# Altium PCB BC95_BLUE.PcbDoc
Units mil, origin at the board's own origin, x right, y up, seen from the top; angles counter-clockwise.
Board outline 2715 x 2415 mil, 2 copper layers (Top Layer, Bottom Layer); 107 components, 89 nets, 463 pads, 269 vias.
Unrouted connection lines stored in the file: 1.
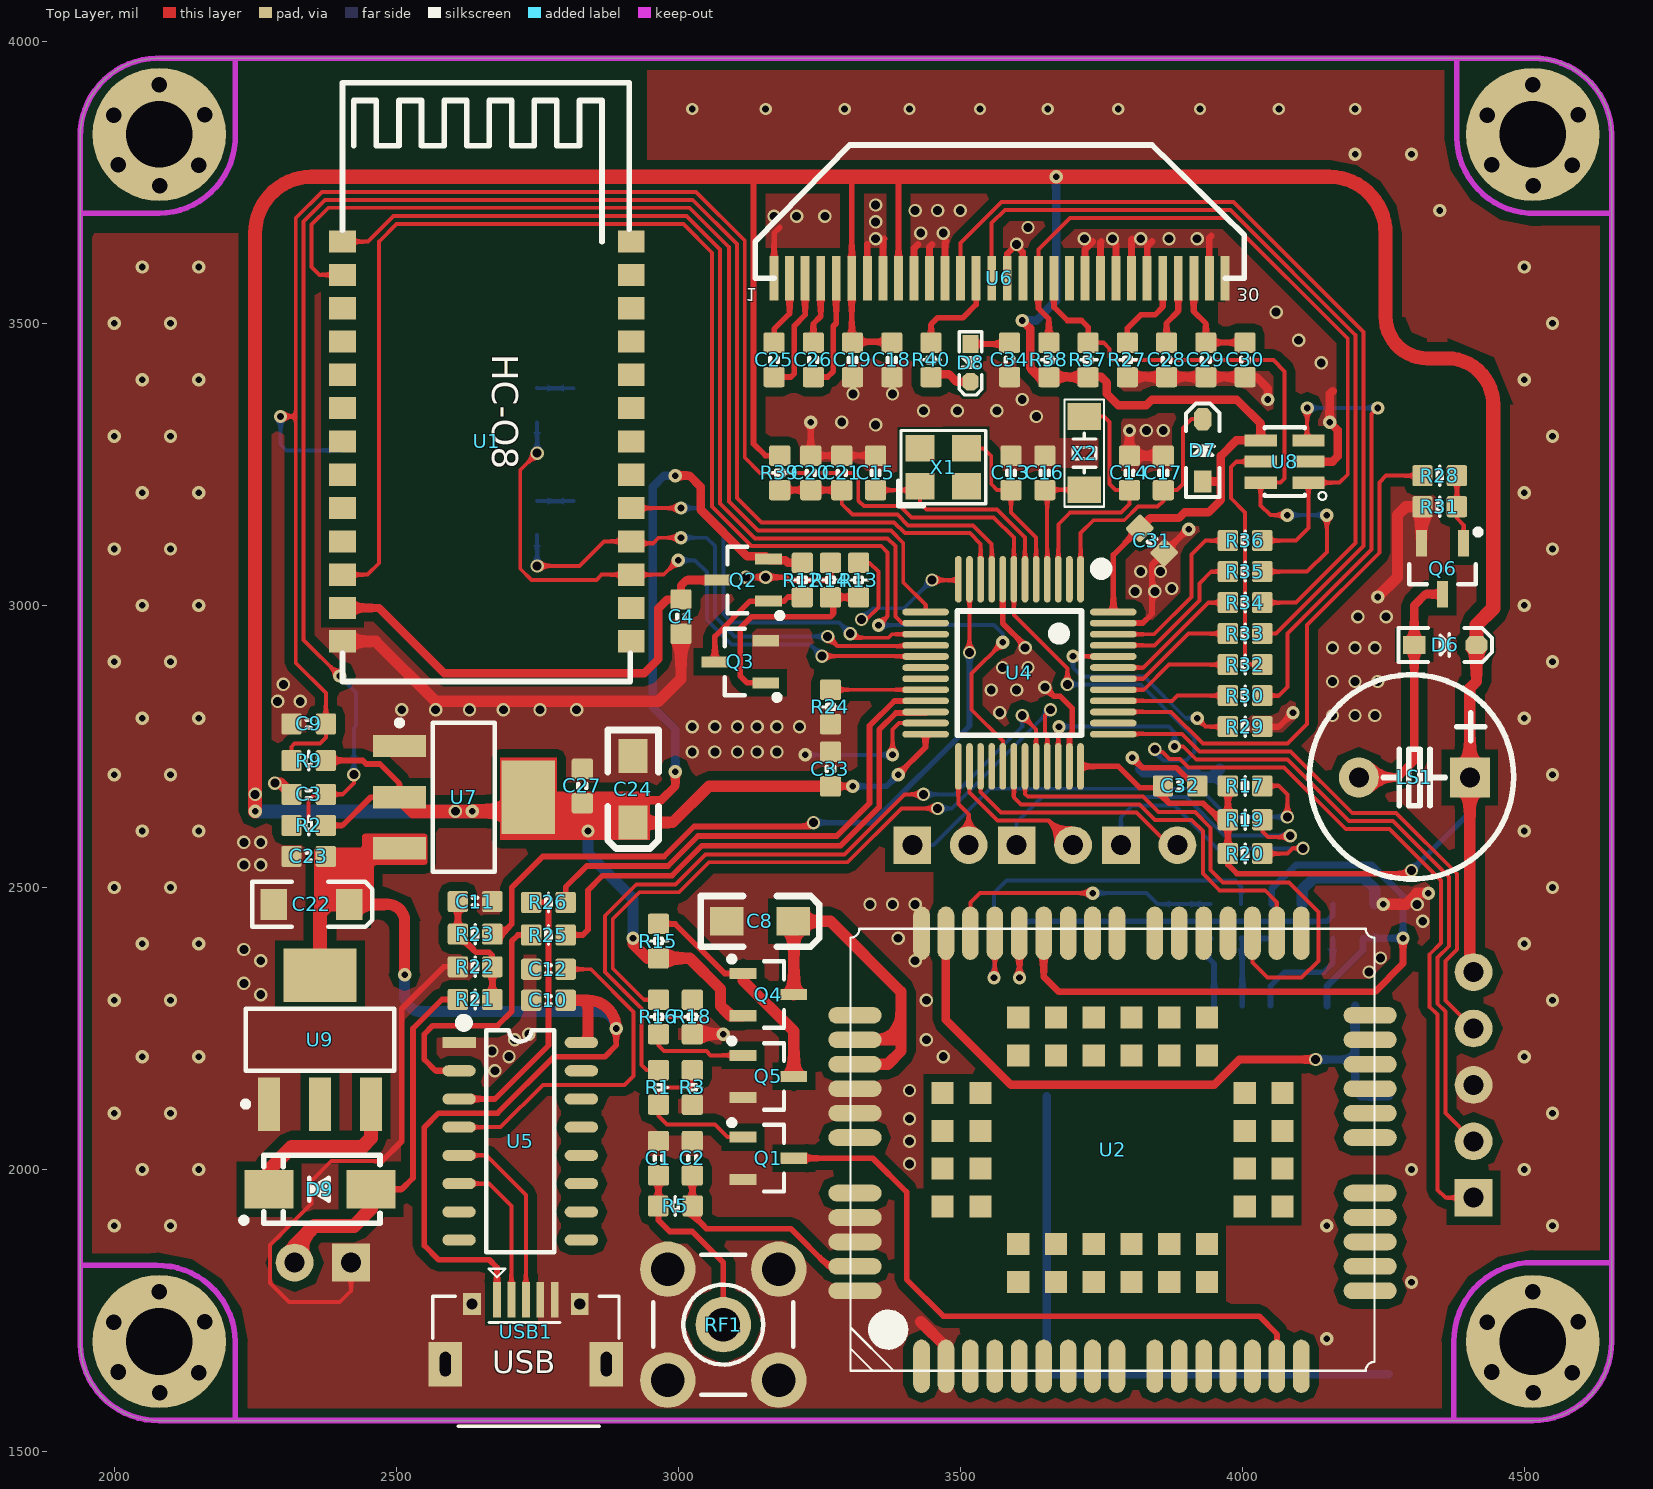
[diagram p0: Top Layer view]
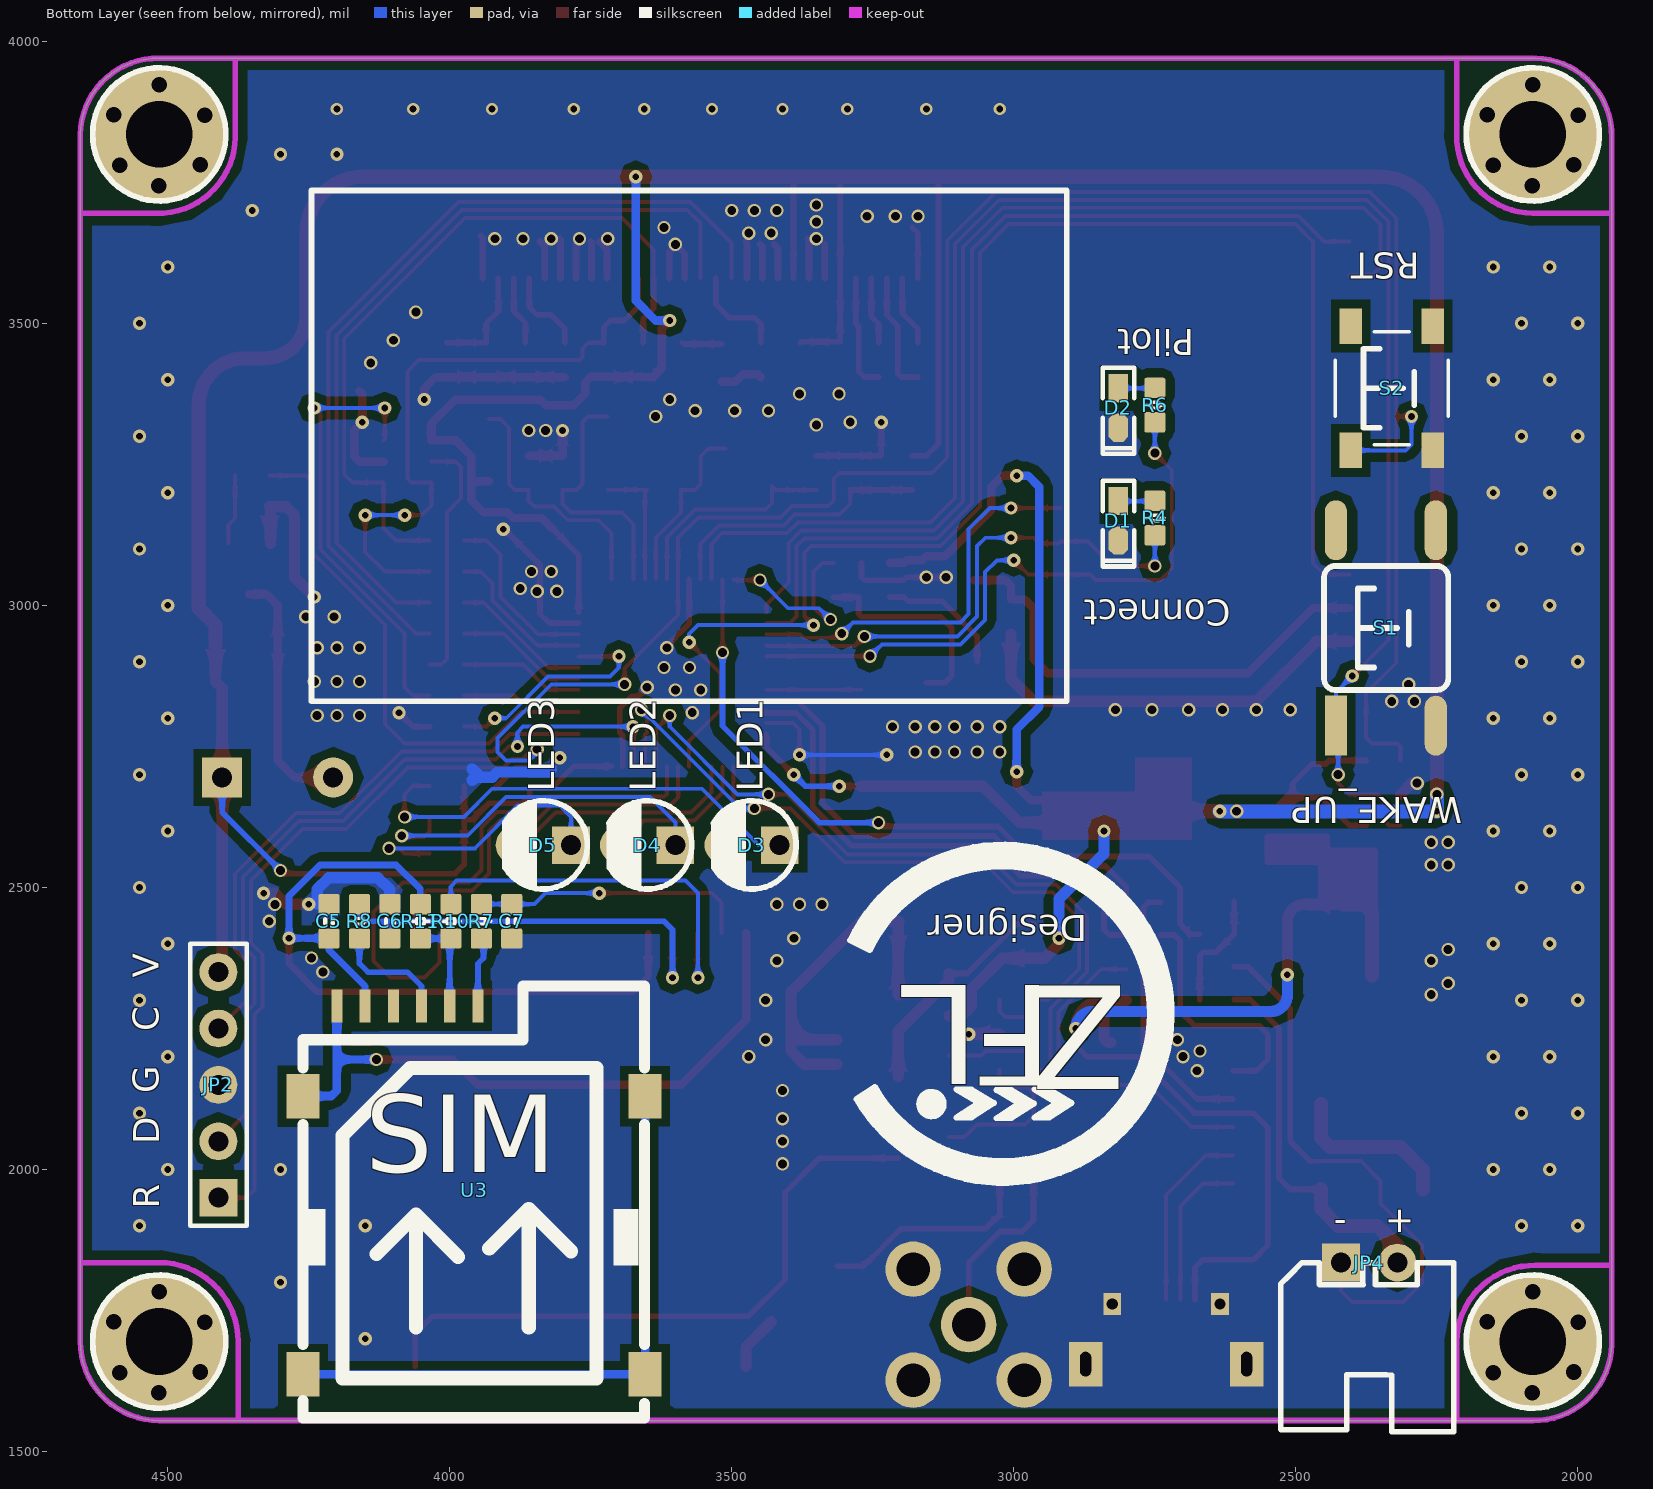
[diagram p1: Bottom Layer view, seen from below]

## Layer stack, top to bottom
Top Solder: solder mask 0.4, Solder Resist, Dk 3.5
Top Layer: signal copper 1.4
Dielectric 1: dielectric 12.6, FR-4, Dk 4.8
Bottom Layer: signal copper 1.4
Bottom Solder: solder mask 0.4, Solder Resist, Dk 3.5

## Board outline
1940,1690 1940,3830 cw(c2077.5,3832.5) 2075,3970 2080,3970 4515,3970 cw(c4517.5,3832.5) 4655,3835 4655,1695 cw(c4515,1695) 4515,1555 2080,1555 cw(c2077.5,1692.5)

## Design rules (kind name [scope] priority, off if disabled: settings)
Clearance Clearance_4 [InNamedPolygon('GND_L02_P002')] p1: gap=15 ignorepadtopadclearanceinfootprint=FALSE except(0: Arc-Hole Track-Hole SMDPad-Hole THPad-Hole Via-Hole Fill-Hole Poly-Hole Region-Hole Text-Hole)
Clearance Clearance_3 [InNamedPolygon('GND_L01_P000')] p2: gap=15 ignorepadtopadclearanceinfootprint=FALSE except(0: Arc-Hole Track-Hole SMDPad-Hole THPad-Hole Via-Hole Fill-Hole Poly-Hole Region-Hole Text-Hole)
Clearance Clearance_2 [InNamedPolygon('GND_L02_P002')] p3: gap=20 ignorepadtopadclearanceinfootprint=FALSE except(0: Arc-Hole Track-Hole SMDPad-Hole THPad-Hole Via-Hole Fill-Hole Poly-Hole Region-Hole Text-Hole)
Clearance Clearance_1 [InNamedPolygon('GND_L01_P000')] p4: gap=20 ignorepadtopadclearanceinfootprint=FALSE except(0: Arc-Hole Track-Hole SMDPad-Hole THPad-Hole Via-Hole Fill-Hole Poly-Hole Region-Hole Text-Hole)
Clearance [All] p5: gap=7 ignorepadtopadclearanceinfootprint=FALSE except(0: Arc-Hole Track-Hole SMDPad-Hole THPad-Hole Via-Hole Fill-Hole Poly-Hole Region-Hole Text-Hole)
FanoutControl Fanout_Default [All] p5: bgadir=Out bgaviamode=Closest fanoutstyle=Auto fanoutdirection=Alternating viagrid=1 // Fanout_Default (Default Rule)
PolygonConnect PolygonConnect_2 [All vs IsNamedPolygon('GND_L02_P002')] p1: connectstyle=Direct reliefconductorwidth=10 reliefentries=4 polygonreliefangle="90 Angle" airgapwidth=10
PolygonConnect PolygonConnect_1 [All vs IsNamedPolygon('GND_L01_P000')] p2: connectstyle=Direct reliefconductorwidth=10 reliefentries=4 polygonreliefangle="90 Angle" airgapwidth=10
PolygonConnect [All] p3: connectstyle=Relief reliefconductorwidth=10 reliefentries=4 polygonreliefangle="90 Angle" airgapwidth=10
RoomDefinition Data_Blue [InComponentClass('Data_Blue')] p1: confinementstyle=ConfineIn formatcopy=TRUE lockcomponents=FALSE outline 0,0 30890,0 30890,8775 0,8775
RoutingVias [All] p1: holewidth=11.81 width=23.62 viastyle="Through Hole" minholewidth=11.81 minwidth=23.62 maxholewidth=28 maxwidth=50 viatemplateguid#1={C9D36F14-557D-4908-B1C2-58944D411F6E} viatemplatename#1=v127h71m0
SolderMaskExpansion [All] p1: expansion=4 istentingtop=FALSE
Width [All] p1: maxlimit=5000 minlimit=7 preferedwidth=7
29 further rules are at their usual default settings.

## Components (designator, comment, footprint, x,y, rotation, side; value= is the part's Value field where it differs from the comment)
C1 "100nF" 0603CC 2965,2020 r180 top
C2 "100nF" 0603CC 3025,2020 r180 top
C3 "100nF" 0603CC 2345,2665 r270 top
C4 "100nF" 0603CC 3005,2980 r180 top
C5 "100nF" 0603CC 4214.17,2440 r180 bottom
C6 "33P" 0603CC 4106.11,2440 r180 bottom
C7 "33P" 0603CC 3890,2440 r0 bottom
C8 "470uF/16V" C3216 3145,2440 r180 top
C9 "10uF" 0603CC 2345,2790 r90 top
C10 "100nF" 0603CC 2770,2300 r270 top
C11 "100nF" 0603CC 2640,2475 r270 top
C12 "100nF" 0603CC 2770,2355 r270 top
C13 "22p" 0603CC 3590,3235 r0 top
C14 "22p" 0603CC 3800,3235 r180 top
C15 "22p" 0603CC 3350,3235 r0 top
C16 "22p" 0603CC 3650,3235 r180 top
C17 "100nF" 0603CC 3860,3235 r180 top
C18 "1uF" 0603CC 3378.75,3435.38 r180 top
C19 "2.2uF" 0603CC 3309.17,3435.38 r180 top
C20 "10uF" 0603CC 3235,3235 r0 top
C21 "100nF" 0603CC 3290,3235 r0 top
C22 "470uF/35V" "CD A(3216)" 2350,2470 r180 top
C23 "100nF" 0603CC 2345,2555 r90 top
C24 "470uF/35V" C3216 2920,2674.06 r90 top
C25 "1uF" 0603CC 3170,3435.38 r0 top
C26 "1uF" 0603CC 3239.58,3435.38 r0 top
C27 "100nF" 0603CC 2830,2680 r0 top
C28 "2.2uF" 0603CC 3865.83,3435.38 r180 top
C29 "2.2uF" 0603CC 3935.42,3435.38 r180 top
C30 "1uF" 0603CC 4005,3435.38 r180 top
C31 "1uF" 0603CC 3840,3115 r225 top
C32 "100nF" 0603CC 3890,2680 r270 top
C33 "10nF" 0603CC 3270,2710 r0 top
C34 "4.7uF" 0603CC 3587.5,3435.38 r180 top
D1 "LED" "LED 0603G" 2815,3150 r270 bottom
D2 "LED" "LED 0603R" 2815,3350 r270 bottom
D3 "LED" "LED 3MM-G" 3465,2575 r0 bottom
D4 "LED" "LED 3MM-G" 3650,2575 r0 bottom
D5 "LED" "LED 3MM-G" 3835,2575 r0 bottom
D6 "1N4148" SOD-323 4360,2930 r0 top
D7 "1N4148" SOD-323 3930,3275 r90 top
D8 "1N4148" SOD-523 3518.22,3430 r270 top
D9 "SS34" SMA 2365,1965 r180 top
JP2 "HDR-1X5" HDR2.54-LI-5P 4410,2150 r90 bottom
JP4 "HDR-1X2" XH2.54-WI-2P 2370,1835 r180 bottom
LS1 "DC5V" "BEEP 5x9x5.5" 4305,2695 r90 top
Q1 "SS8050" SOT23-3N 3160,2020 r270 top
Q2 "AO3401" SOT23-3N 3115,3045 r90 top
Q3 "SS8050" SOT23-3N 3110,2900 r90 top
Q4 "AO3401" SOT23-3N 3160,2310 r270 top
Q5 "SS8050" SOT23-3N 3160,2165 r270 top
Q6 "SS8050" SOT23-3N 4355,3065 r180 top
R1 "1K" 0603RR 2965,2145.51 r0 top
R2 "10K" 0603RR 2345,2610 r90 top
R3 "10K" 0603RR 3025,2145.51 r0 top
R4 "470R" 0603RR 2750,3155 r0 bottom
R5 "0R" 0603RR 2995,1935.51 r270 top
R6 "470R" 0603RR 2750,3355 r0 bottom
R7 "10R" 0603RR 3944.03,2440 r180 bottom
R8 "10R" 0603RR 4160.14,2440 r180 bottom
R9 "10K" 0603RR 2345,2725 r90 top
R10 "10R" 0603RR 3998.06,2440 r180 bottom
R11 "10K" 0603RR 4052.08,2440 r180 bottom
R12 "10K" 0603RR 3220,3045 r180 top
R13 "1K" 0603RR 3320,3045 r0 top
R14 "10K" 0603RR 3270,3045 r180 top
R15 "10K" 0603RR 2965,2405 r0 top
R16 "1K" 0603RR 2965,2270.51 r0 top
R17 "470R" 0603RR 4005,2680 r90 top
R18 "10K" 0603RR 3025,2270.51 r0 top
R19 "470R" 0603RR 4005,2620 r90 top
R20 "470R" 0603RR 4005,2560 r90 top
R21 "10K" 0603RR 2640,2301.43 r90 top
R22 "3.3K" 0603RR 2640,2359.29 r270 top
R23 "470R" 0603RR 2640,2417.14 r270 top
R24 "10K" 0603RR 3270,2820 r0 top
R25 "220" 0603RR 2770,2415.71 r270 top
R26 "220" 0603RR 2770,2473.57 r270 top
R27 "560K" 0603RR 3796.25,3435.38 r0 top
R28 "1K" 0603RR 4350,3230 r90 top
R29 "10K" 0603RR 4005,2785 r270 top
R30 "470R" 0603RR 4005,2840 r90 top
R31 "10K" 0603RR 4350,3175 r270 top
R32 "470R" 0603RR 4005,2895 r90 top
R33 "470R" 0603RR 4005,2950 r90 top
R34 "470R" 0603RR 4005,3005 r90 top
R35 "470R" 0603RR 4005,3060 r90 top
R36 "470R" 0603RR 4005,3115 r90 top
R37 "4.7K" 0603RR 3726.67,3435.38 r180 top
R38 "4.7K" 0603RR 3657.08,3435.38 r180 top
R39 "10R" 0603RR 3180,3235 r0 top
R40 "4.7K" 0603RR 3448.33,3435.38 r0 top
RF1 "SMA天线" SMA_FR 3080,1725 r180 top
S1 "SW-PB" "TSW SMD-6*6*6" 2340,2960 r90 bottom
S2 "SW-PB" "TSW SMD-4*4*1.5" 2330,3385 r90 bottom
U1 "HC-08" HC-08 2405,3645 r270 top
U2 "BC95" BC95 3770,2035 r90 top
U3 "USIM_6P" "SIM 6P 自弹" 4260,2130 r180 bottom
U4 "STM32F103C8" "LQFP48 7X7_M" 3605,2880 r180 top
U5 "CH340C" SOP16_L 2720,2050 r0 top
U6 "SSH1106_OLED_1.3" OLED_1.3_FPC_30 3170,3580 r0 top
U7 "AMS1117-3.3" SOT223_N 2620,2660 r0 top
U8 "GT20L16_字库" SOT23-6 4075,3255 r270 top
U9 "AMS1117-5.0V" SOT223_N 2365,2230 r90 top
USB1 "USB-5P" USB-MICRO_A 2730,1655 r0 top
X1 "8M" "OSC 3225-4P" 3470,3245 r0 top
X2 "32.768K" "OSC 3215-2P" 3720,3270 r90 top

## Footprints (in the part's own frame and the unit in brackets; to place one, negate y for a bottom-side part, rotate by r counter-clockwise, add the part's x,y. Pads: shape width x height; smd on the part's side, far side on the other; paste and mask are expansions set on the pad)
0603CC [mm]
  rrect20% 0.95x0.92 smd: 1(0,0.775) 2(0,-0.775)
  silkscreen extent -0.18,-0.1 0.18,0.1, body extent -0.39,-0.8 0.39,0.8, height 0.79
0603RR [mm]
  rrect20% 0.95x0.92 smd: 1(0,0.775) 2(0,-0.775)
  silkscreen extent -0.43,-0.13 0.43,0.13, body extent -0.39,-0.8 0.39,0.8, height 0.3
BC95 [mm]
  oval 2.4x0.75 smd: 1(-9.75,8.6) 2(-9.75,7.5) 3(-9.75,6.4) 4(-9.75,5.3) 5(-9.75,4.2) 6(-9.75,3.1) 7(-9.75,2) 8(-9.75,0.9) 9(-9.75,-0.2) 10(-9.75,-1.9) 11(-9.75,-3) 12(-9.75,-4.1) 13(-9.75,-5.2) 14(-9.75,-6.3) 15(-9.75,-7.4) 16(-9.75,-8.5) 28(9.75,-8.5) 29(9.75,-7.4) 30(9.75,-6.3) 31(9.75,-5.2) 32(9.75,-4.1) 33(9.75,-3) 34(9.75,-1.9) 35(9.75,-0.2) 36(9.75,0.9) 37(9.75,2) 38(9.75,3.1) 39(9.75,4.2) 40(9.75,5.3) 41(9.75,6.4) 42(9.75,7.5) 43(9.75,8.6)
  oval 0.75x2.4 smd: 17(-6.35,-11.6) 18(-5.25,-11.6) 19(-4.15,-11.6) 20(-3.05,-11.6) 21(-1.95,-11.6) 22(0.55,-11.6) 23(1.65,-11.6) 24(2.75,-11.6) 25(3.85,-11.6) 26(4.95,-11.6) 27(6.05,-11.6) 44(6.05,11.6) 45(4.95,11.6) 46(3.85,11.6) 47(2.75,11.6) 48(1.65,11.6) 49(0.55,11.6) 50(-1.95,11.6) 51(-3.05,11.6) 52(-4.15,11.6) 53(-5.25,11.6) 54(-6.35,11.6)
  rect 1x1 smd: 55(-5.95,4.25) 56(-5.95,2.55) 57(-5.95,0.85) 58(-5.95,-0.85) 59(-5.95,-2.55) 60(-5.95,-4.25) 61(-2.55,-7.65) 62(-0.85,-7.65) 63(0.85,-7.65) 64(2.55,-7.65) 65(5.95,-4.25) 66(5.95,-2.55) 67(5.95,-0.85) 68(5.95,0.85) 69(5.95,2.55) 70(5.95,4.25) 71(2.55,7.65) 72(0.85,7.65) 73(-0.85,7.65) 74(-2.55,7.65) 75(-4.25,4.25) 76(-4.25,2.55) 77(-4.25,0.85) 78(-4.25,-0.85) 79(-4.25,-2.55) 80(-4.25,-4.25) 81(-2.55,-5.95) 82(-0.85,-5.95) 83(0.85,-5.95) 84(2.55,-5.95) 85(4.25,-4.25) 86(4.25,-2.55) 87(4.25,-0.85) 88(4.25,0.85) 89(4.25,2.55) 90(4.25,4.25) 91(2.55,5.95) 92(0.85,5.95) 93(-0.85,5.95) 94(-2.55,5.95)
  silkscreen extent -9.95,-11.8 9.95,11.8, body extent -10,-11.8 10,11.8, height 3
"BEEP 5x9x5.5" [mm] "5*9*5.5mm(脚距,直径,高度)"
  rect 1.8x1.8 hole 0.9: 1(0,-2.5)
  round 1.8 hole 0.9: 2(0,2.5)
  silkscreen extent -4.57,-4.47 4.62,4.73, body extent -4.5,-4.5 4.5,4.5, height 5.45
C3216 [mil] "A型/1206 3.2mmx1.6mm（蒜米工坊）"
  rect 60x51.18 smd: 1(-59,0) 2(59,0)
  silkscreen extent -105,-45 105,45, body extent -63,-31 63,32, height 63
"CD A(3216)" [mm] "长3.2mm，宽1.6mm，厚1.6mm"
  rect 1.2x1.4 smd: 1(-1.7,0) 2(1.7,0)
  silkscreen extent -2.74,-1.02 2.67,1.02, body extent -1.6,-0.8 1.6,0.8, height 1.6
HC-08 [mm]
  rect 1x1.2 smd: 1(0,0) 2(1.5,0) 3(3,0) 4(4.5,0) 5(6,0) 6(7.5,0) 7(9,0) 8(10.5,0) 9(12,0) 10(13.5,0) 11(15,0) 12(16.5,0) 13(18,0) 14(18,13) 15(16.5,13) 16(15,13) 17(13.5,13) 18(12,13) 19(10.5,13) 20(9,13) 21(7.5,13) 22(6,13) 23(4.5,13) 24(3,13) 25(1.5,13) 26(0,13)
  silkscreen extent -7.16,0 19.81,12.95, body extent -7.11,0 19.81,12.95, height 2.3
HDR2.54-LI-5P [mm] "排针，5脚"
  rect 1.7x1.7 hole 0.9: 1(-5.08,0)
  round 1.7 hole 0.9: 2(-2.54,0) 3(0,0) 4(2.54,0) 5(5.08,0)
  silkscreen extent -6.35,-1.27 6.35,1.27, body extent -6.35,-1.27 6.35,1.27, height 8.5
"LED 3MM-G" [mm] "绿色3mm直插LED"
  rect 1.7x1.7 hole 0.9: 1(-1.27,0)
  round 1.7 hole 0.9: 2(1.27,0)
  silkscreen extent -2.01,-2 1.72,1.98, body extent -1.95,-1.95 1.64,1.95, height 5.55
"LED 0603G" [mil] "绿色0603LED"
  rect 50x35 smd: 1(-35,0.26)
  oct 50x35 smd: 2(35,0.26)
  silkscreen extent -71,-28 81,28, body extent -31,-16 31,16, height 18
"LED 0603R" [mil] "红色0603LED"
  rect 50x35 smd: 1(-35,0.26)
  oct 50x35 smd: 2(35,0.26)
  silkscreen extent -71,-28 81,28, body extent -31,-16 31,16, height 18
"LQFP48 7X7_M" [mm] "48脚，体宽7x7mm，脚距0.5mm"
  oval 0.3x2.1 smd: 1(-2.75,-4.227) 2(-2.25,-4.227) 3(-1.75,-4.227) 4(-1.25,-4.227) 5(-0.75,-4.227) 6(-0.25,-4.227) 7(0.25,-4.227) 8(0.75,-4.227) 9(1.25,-4.227) 10(1.75,-4.227) 11(2.25,-4.227) 12(2.75,-4.227) 25(2.75,4.202) 26(2.25,4.202) 27(1.75,4.202) 28(1.25,4.202) 29(0.75,4.202) 30(0.25,4.202) 31(-0.25,4.202) 32(-0.75,4.202) 33(-1.25,4.202) 34(-1.75,4.202) 35(-2.25,4.202) 36(-2.75,4.202)
  oval 2.1x0.3 smd: 13(4.227,-2.75) 14(4.227,-2.25) 15(4.227,-1.75) 16(4.227,-1.25) 17(4.227,-0.75) 18(4.227,-0.25) 19(4.227,0.25) 20(4.227,0.75) 21(4.227,1.25) 22(4.227,1.75) 23(4.227,2.25) 24(4.227,2.75) 37(-4.227,2.75) 38(-4.227,2.25) 39(-4.227,1.75) 40(-4.227,1.25) 41(-4.227,0.75) 42(-4.227,0.25) 43(-4.227,-0.25) 44(-4.227,-0.75) 45(-4.227,-1.25) 46(-4.227,-1.75) 47(-4.227,-2.25) 48(-4.227,-2.75)
  silkscreen extent -3.93,-4.95 2.79,2.79, body extent -4.5,-4.5 4.5,4.5, height 1.45
OLED_1.3_FPC_30 [mm]
  rect 0.4x2 smd: 1(0,0) 2(0.7,0) 3(1.4,0) 4(2.1,0) 5(2.8,0) 6(3.5,0) 7(4.2,0) 8(4.9,0) 9(5.6,0) 10(6.3,0) 11(7,0) 12(7.7,0) 13(8.4,0) 14(9.1,0) 15(9.8,0) 16(10.5,0) 17(11.2,0) 18(11.9,0) 19(12.6,0) 20(13.3,0) 21(14,0) 22(14.7,0) 23(15.4,0) 24(16.1,0) 25(16.8,0) 26(17.5,0) 27(18.2,0) 28(18.9,0) 29(19.6,0) 30(20.3,0)
  silkscreen extent -0.85,0 21.17,6
"OSC 3215-2P" [mm] "3.2*1.5*0.6mm(长宽高)"
  rect 1.2x1.5 smd: 1(-1.65,0) 2(1.65,0)
  silkscreen extent -2.41,-0.89 2.41,0.89, body extent -1.6,-0.75 1.6,0.75, height 0.61
"OSC 3225-4P" [mm] "3.2*2.5*0.7mm(长宽高)"
  rect 1.3x1.2 smd: 1(-1.05,-0.85) 2(1.05,-0.85) 3(1.05,0.85) 4(-1.05,0.85)
  silkscreen extent -2.03,-1.75 1.91,1.65, body extent -1.6,-1.25 1.6,1.25, height 0.7
"SIM 6P 自弹" [mm]
  rect 0.5x1.5 smd: 1(2.794,4.064) 2(5.334,4.064) 3(7.874,4.064) 4(1.524,4.064) 5(4.064,4.064) 6(6.604,4.064)
  rect 1.5x2 smd: 4(0,-12.53) 4(0,0) 4(15.4,-12.53) 4(15.4,0)
  silkscreen extent 0,-14.48 15.37,4.95, body extent -0.51,-14.48 15.75,4.95, height 1.25
SMA [mm] "4.5x2.6*2.2mm（长宽高，不包括引脚）"
  rect 2.2x1.75 smd: 1(-2.3,0) 2(2.3,0)
  silkscreen extent -2.7,-1.52 3.56,1.52, body extent -2.53,-1.3 2.58,1.3, height 2.15
SMA_FR [mm] "SMA 90度射频天线座"
  round 2.5 hole 1.5: 1(0,0) 2(-2.5,2.5) 2(2.5,2.5) 3(-2.5,-2.5) 3(2.5,-2.5)
  silkscreen extent -3.15,-3.15 3.15,3.15, body extent -3.5,-3.5 3.5,11.6, height 10.26
SOD-323 [mm] "1.8x1.3X0.9mm（长宽高，不包括引脚）"
  rect 1x0.8 smd: 1(-1.4,0)
  oct 1x0.8 smd: 2(1.4,0)
  silkscreen extent -2.11,-0.76 2.11,0.76, body extent -1.34,-0.63 1.31,0.67, height 1
SOD-523 [mm] "1.2x0.8X0.6mm（长宽高，不包括引脚）"
  rect 0.8x0.7 smd: 1(-0.85,0)
  oct 0.8x0.7 smd: 2(0.85,0)
  silkscreen extent -1.4,-0.51 1.45,0.51, body extent -0.8,-0.4 0.8,0.4, height 0.65
SOP16_L [mm] "10.3*6.2*1.8mm（长宽高）"
  rect 1.5x0.5 smd: 1(-2.752,4.445)
  oval 1.5x0.5 smd: 2(-2.752,3.175) 3(-2.752,1.905) 4(-2.752,0.635) 5(-2.752,-0.635) 6(-2.752,-1.905) 7(-2.752,-3.175) 8(-2.752,-4.445) 9(2.752,-4.445) 10(2.752,-3.175) 11(2.752,-1.905) 12(2.752,-0.635) 13(2.752,0.635) 14(2.752,1.905) 15(2.752,3.175) 16(2.752,4.445)
  silkscreen extent -2.69,-5 1.52,5.49, body extent -3,-5 3,5, height 1.9
SOT23-3N [mm] "3x1.3x1mm(长宽高)"
  rect 0.5x1.2 smd: 1(-0.95,-1.143) 2(0.95,-1.143) 3(0,1.143)
  silkscreen extent -1.72,-1.78 1.5,0.7, body extent -1.5,-1.2 1.5,1.2, height 1.05
SOT23-6 [mm] "SOT-23/SC-74A; 5 Leads; Body 3.1 x 3 mm, inc. leads (LxW max)"
  rect 0.55x1.45 smd: 1(0.95,1.075) 2(0,1.075) 3(-0.95,1.075) 4(-0.95,-1.075) 5(0,-1.075) 6(0.95,-1.075)
  silkscreen extent -1.55,-0.9 1.73,1.88, body extent -1.43,-1.2 1.49,1.14, height 1
SOT223_N [mm] "SOT223, 4-Leads, Body 6.5x3.5mm, Pitch 2.3mm, Lead Span 7mm, IPC Medium Density"
  rect 2.4x1 smd: 1(-2.9,2.3) 2(-2.9,0) 3(-2.9,-2.3)
  rect 2.4x3.3 smd: 4(2.9,0)
  silkscreen extent -3.02,-3.35 1.4,3.47, body extent -1.85,-3.35 1.85,3.35, height 1.7
"TSW SMD-4*4*1.5" [mm] "轻触开关，长宽高：4*4*1.5mm"
  rect 1.6x1 smd: 1(-2.8,1.85) 2(-2.8,-1.85) 3(2.8,-1.85) 4(2.8,1.85)
  silkscreen extent -2.55,-2.55 2.55,2.55, body extent -3.2,-2.6 3.2,2.6, height 1.5
"TSW SMD-6*6*6" [mm] "6*6*6mm"
  rect 2.7x1 smd: 1(-4.4,2.261)
  oval 2.7x1 smd: 2(-4.4,-2.239) 3(4.4,-2.239) 4(4.4,2.261)
  silkscreen extent -2.79,-2.79 2.79,2.79, body extent -4.5,-3 4.5,3, height 5.95
USB-MICRO_A [mm] "micro型USB ，5.7*7.8*2.5mm"
  rect 0.35x1.6 smd: 1(-1.3,2.9) 2(-0.65,2.9) 3(0,2.9) 4(0.65,2.9) 5(1.3,2.9)
  rect 1.5x2 hole 0.5 slot 1.1 at 90 deg: 5(-3.625,0) 5(3.625,0)
  rect 0.8x1 hole 0.5: 5(-2.425,2.71) 5(2.425,2.71)
  silkscreen extent -4.19,-2.79 4.19,4.3, body extent -4,-2.71 4,2.89, height 2.8
XH2.54-WI-2P [mm] "接插件，2P"
  rect 1.7x1.7 hole 0.9: 1(-1.27,0)
  round 1.7 hole 0.9: 2(1.27,0)
  silkscreen extent -3.99,-7.62 3.81,0, body extent -3.77,-7.35 3.77,0.35, height 5.73

## Part data
C1 C2 C3 C4 C5 C6 C7 C9 C10 C11 C12 C13 C14 C15 C16 C17 C18 C19 C20 C21 C23 C25 C26 C27 C28 C29 C30 C31 C32 C33 C34: library part cap
C8 C22 C24: library part Ecap
D6: "高速开关二极管", BOM名称=高速开关二极管, 学习资源=www.ooocke.com, 版权归属=源创客
D7: library part D
D8 D9: library part Diod
JP2: library part "Header 5", "5P接插件", BOM名称=5P接插件, 学习资源=www.ooocke.com, 版权归属=源创客
JP4: library part "Header 2", "2P接插件", BOM名称=2P接插件, 学习资源=www.ooocke.com, 版权归属=源创客
LS1: library part BEEP, "蜂鸣器", BOM名称=蜂鸣器, 学习资源=www.ooocke.com, 版权归属=源创客
Q1 Q3 Q5 Q6: library part 8050-SMD, "高频放大-NPN型", BOM名称=高频放大-NPN型, 学习资源=www.ooocke.com, 属性="40V 1.5A 1W 100MHZ", 版权归属=源创客
Q2 Q4: library part SI2301, "P沟道场效应管", BOM名称=P沟道场效应管, 学习资源=www.ooocke.com, 版权归属=源创客
R1 R2 R3 R4 R5 R6 R7 R8 R9 R10 R11 R12 R13 R14 R15 R16 R17 R18 R19 R20 R21 R22 R23 R24 R25 R26 R27 R28 R29 R30 R31 R32 R33 R34 R35 R36 R37 R38 R39 R40: library part res
S1 S2: "Switch", LatestRevisionDate=17-Jul-2002, LatestRevisionNote="Re-released for DXP Platform.", PackageReference=SPST-2, Published=24-Mar-1999, Publisher="Altium Limited"
U3: library part USIM-6P
U4: "Flaah:64/RAM:20/IO:36", BOM名称=32位STM单片机, 学习资源=www.ooocke.com, 版权归属=源创客
U7 U9: library part AMS1117
USB1: "微型USB母座", BOM名称=微型USB母座, 学习资源=www.ooocke.com, 版权归属=源创客
X1: library part XTAL-4P, "4脚无源晶振", BOM名称=4脚无源晶振, 学习资源=www.ooocke.com, 版权归属=源创客
X2: library part XTAL-2P, "2脚无源脚晶振", BOM名称=2脚无源脚晶振, 学习资源=www.ooocke.com, 版权归属=源创客

## Free pads (board coordinates)
  round 236.22 hole 118.11 unplated: 31(2080,1695) 31(2080,3835) 31(4515,1695) 31(4515,3835)

## Via types
v1: diameter 23.62, hole 15.75, Top Layer to Bottom Layer, tented both sides, 130 vias
v2: diameter 23.62, hole 11.81, Top Layer to Bottom Layer, 61 vias
v3: diameter 23.62, hole 11.81, Top Layer to Bottom Layer, tented both sides, 44 vias
v4: diameter 27.56, hole 27.56, Top Layer to Bottom Layer, 24 vias
v5: diameter 22, hole 12, Top Layer to Bottom Layer, tented both sides, 10 vias
